# Altium PCB Lay-51943_B.brd.PcbDoc (part 8 of 8)
Units mil, origin at the board's own origin, x right, y up, seen from the top; angles counter-clockwise.
Board outline 2903.05 x 2405.84 mil, 6 copper layers (TOP, L2_GND_1, L3_INT_1, L4_PWR, L5_GND_2, BOTTOM), stack 60.244 mil thick; 568 components, 400 nets, 2143 pads, 1138 vias.
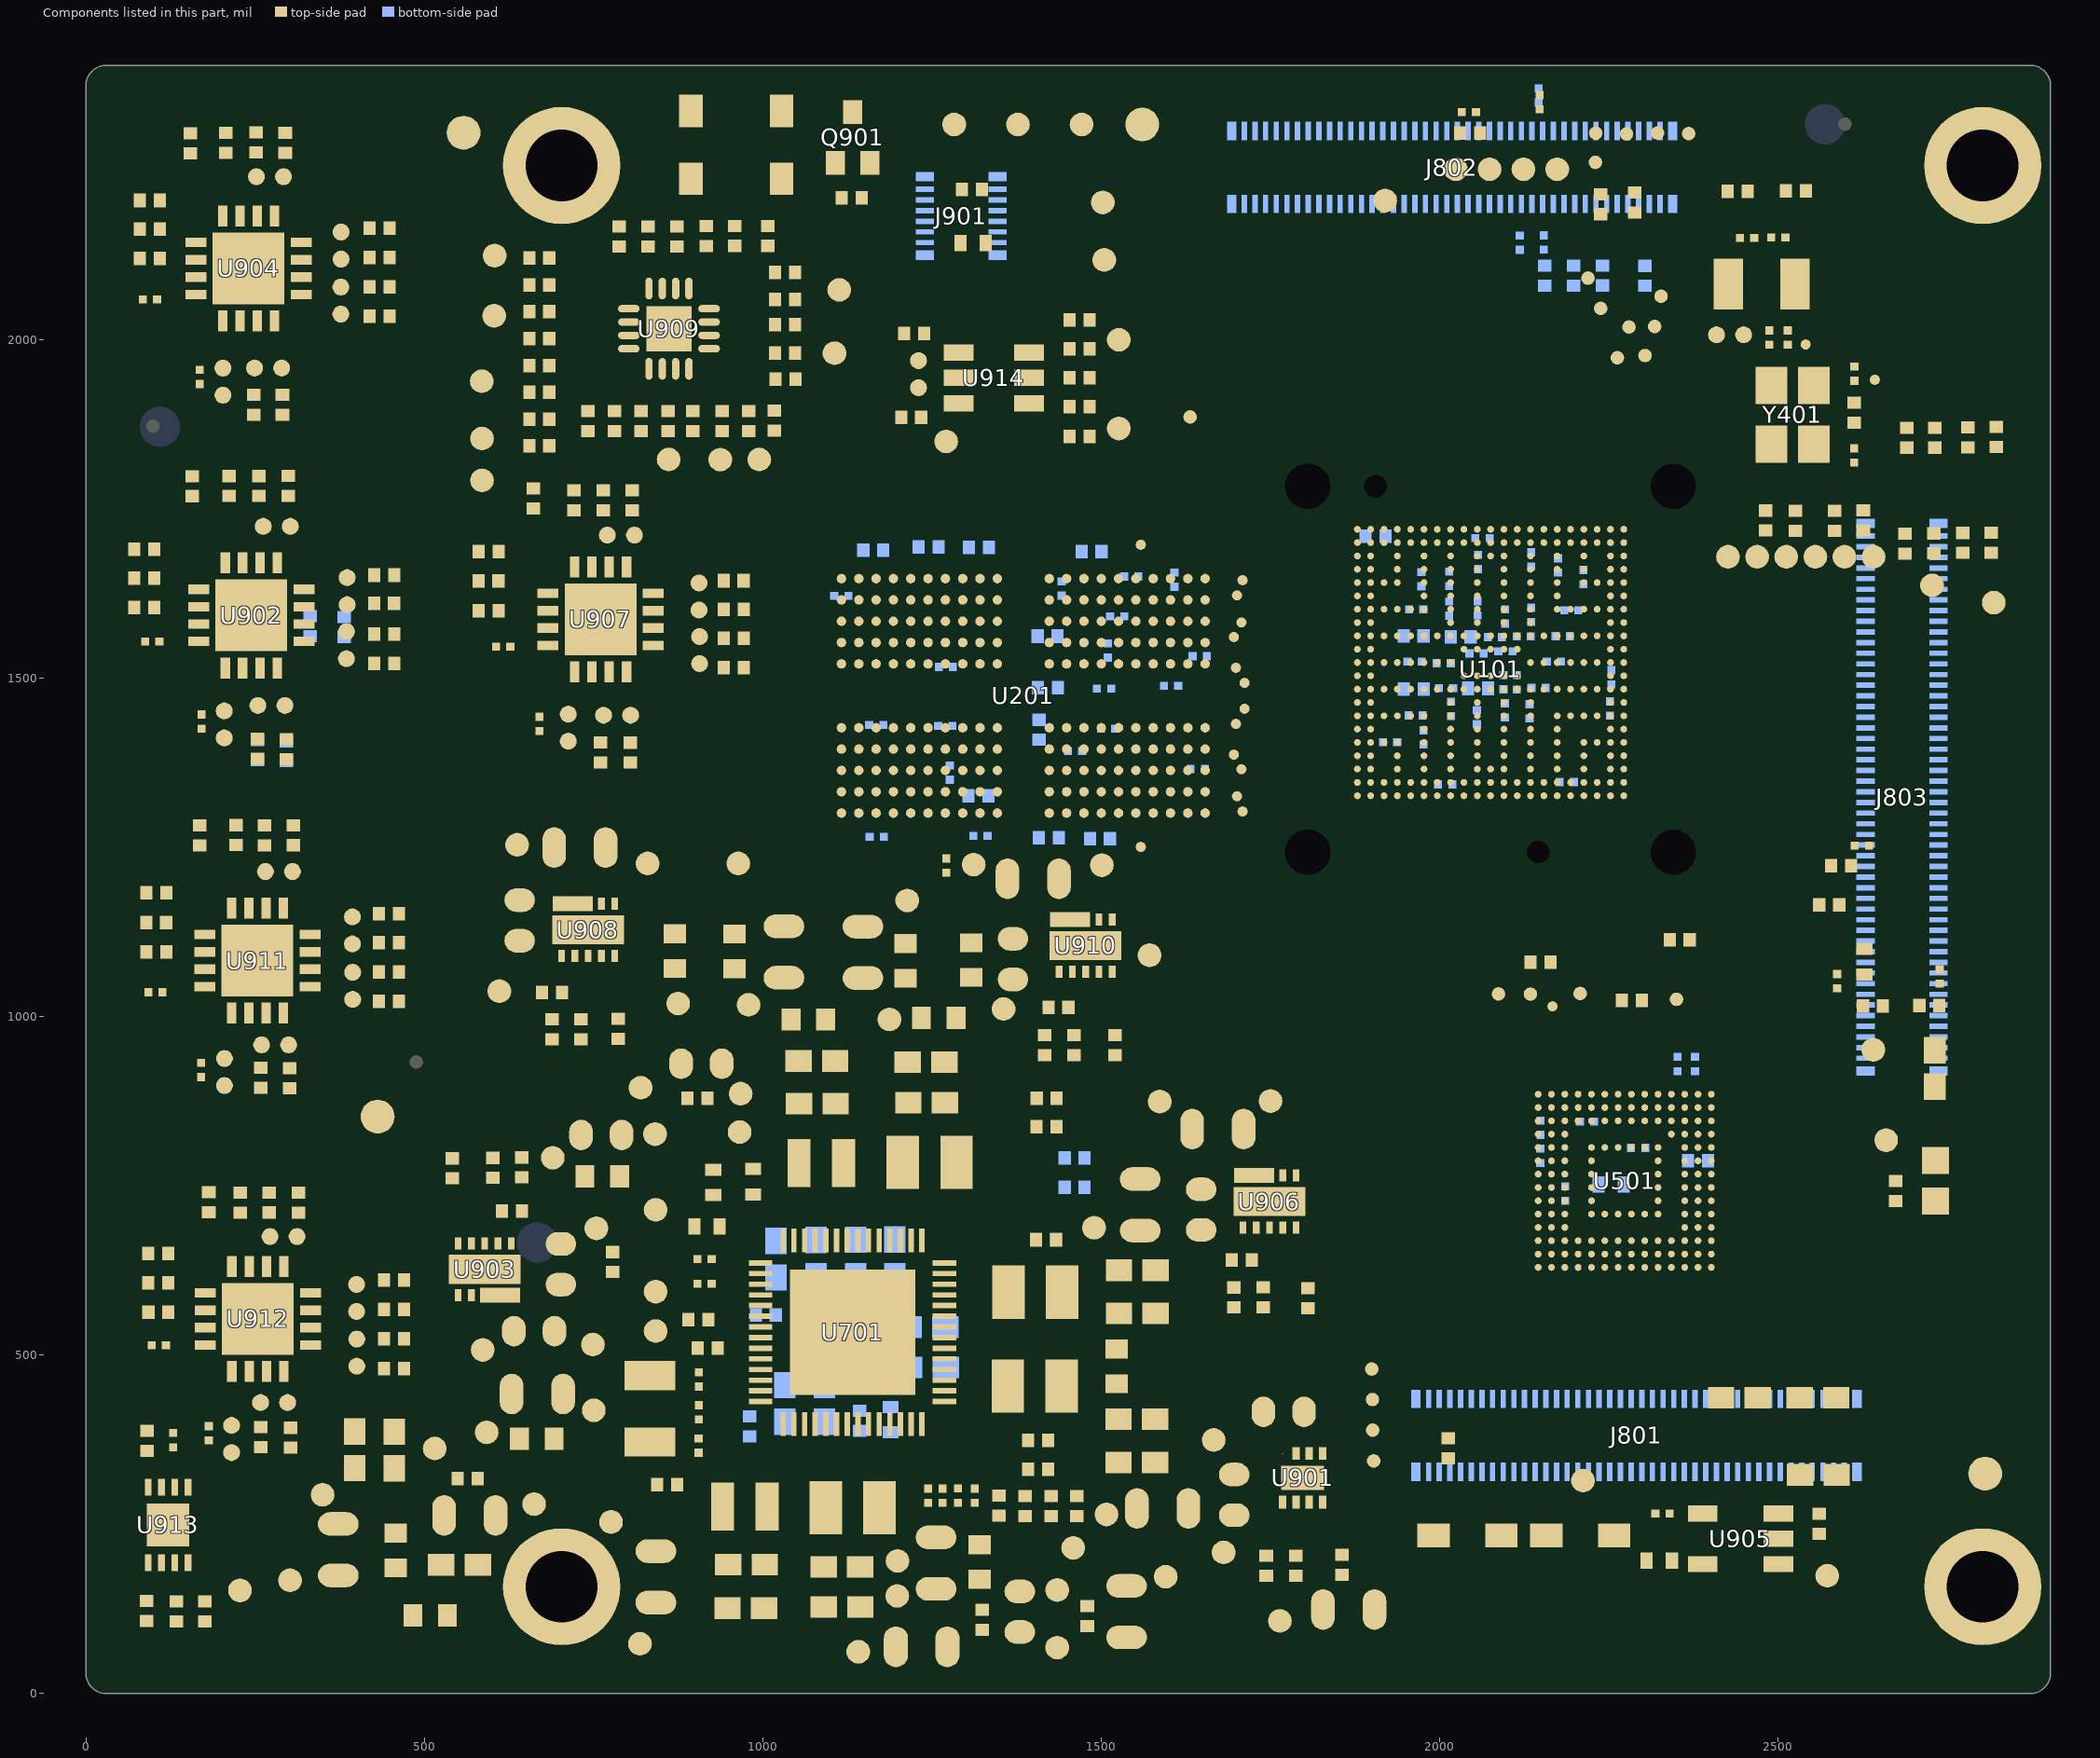
[diagram p12: the components of this part, seen from the top]

## Silkscreen, mask and mechanical layers (free items; w line width, h text height) (continued)
Document:
  drawing of 2535 lines, arcs and shapes, not listed
  text "FX.X" at 16861.1,10640.25 h100
  text "A" at 11026.1,10635.25 h125
  text "01-21-22" at 15581.1,10635.25 h100
  text "CHANGED U901,U903,U906,U908,U910" at 11378.87,10392.81 h100
  text "B" at 11036.66,10391.83 h100
  text "FX.X" at 16861.1,10382.85 h100
  text "19-08-22" at 15581.1,10377.85 h100
  text "170-51943" at 10331.1,-6889.75 h175
  text "THIS DOCUMENT CONTAINS INFORMATION" at 9741.1,-7129.75 h63
  text "___ PUBI (PUBLIC INFORMATION)" at 6896.1,-7164.75 h63
  text "NXP SEMICONDUCTOR" at 12301.1,-7239.75 h225
  text "PROPRIETARY TO NXP AND SHALL" at 9741.1,-7254.75 h63
  text "NOT BE USED FOR ENGINEERING DESIGN" at 9741.1,-7379.75 h63
  text "___ FIUO (NXP INTERNAL USE ONLY)" at 6896.1,-7464.75 h63
  text "X" at 6936.1,-7464.75 h100
  text "PROCUREMENT OR MANUFACTURE IN WHOLE" at 9741.1,-7504.75 h63
  text "OR IN PART WITHOUT THE CONSENT OF" at 9741.1,-7629.75 h63
  text "NXP." at 9741.1,-7754.75 h63
  text "___ FCP (NXP CONFIDENTIAL PROPRIETARY)" at 6896.1,-7764.75 h63
  text "6501 WILLIAM CANNON DRIVE WEST  AUSTIN, TEXAS 78735 USA" at 12331.1,-7809.75 h94
  text "ALL PARTS, MATERIALS AND FINISHED" at 4449.95,-8080.39 h63
  text "ASSEMBLY SHALL MEET THE RoHS" at 4449.95,-8164.39 h63
  text "PRINTED WIRING BOARD" at 13261.1,-8219.75 h175
  text "COMMISSION DELEGATED DIRECTIVE (EU)" at 4449.95,-8248.39 h63
  text "2015/863 OF 31 MARCH  2015 AMENDING" at 4449.95,-8332.39 h63
  text "Feixiang" at 10126.1,-8394.75 h100
  text "19-08-22" at 11391.1,-8394.75 h100
  text "ANNEX II TO DIRECTIVE 2011/65/EU. A" at 4449.95,-8416.39 h63
  text "CERTIFICATE OF COMPLIANCE IS" at 4449.95,-8500.39 h63
  text "X-" at 13740.52,-8556.31 h175
  text "MCIMX93-SOM" at 14140.3,-8560.76 h175
  text "REQUIRED UPON REQUEST." at 4449.95,-8584.39 h63
  text "Javen jiang" at 10121.1,-8814.75 h100
  text "19-08-22" at 11386.1,-8814.75 h100
  text "ALL PARTS, MATERIALS AND FINISHED" at 4425.95,-9039.39 h63
  text "ASSEMBLY SHALL NOT CONTAIN ANY OF" at 4425.95,-9123.39 h63
  text "THE SUBSTANCES OF VERY HIGH CONCERN" at 4425.95,-9207.39 h63
  text "Javen jiang" at 10116.1,-9209.75 h100
  text "19-08-22" at 11381.1,-9209.75 h100
  text "LAY-51943" at 12671.1,-9229.75 h125
  text "FAB-51943" at 14776.1,-9229.75 h175
  text "B" at 17156.1,-9229.75 h175
  text "(SVHC) ABOVE THE THRESHOLD VALUE PER" at 4425.95,-9291.39 h63
  text "THE CURRENT ECHA LIST OF SVHC'S AND" at 4425.95,-9375.39 h63
  text "WITH ANNEX XIV AND ANNEX XVII OF REACH" at 4425.95,-9454.39 h63
  text "DIRECTIVE 76/769/EEC. A CERTIFICATE OF" at 4425.95,-9538.39 h63
  text "COMPLIANCE IS REQUIRED UPON REQUEST." at 4425.95,-9622.39 h63
  text "1" at 16996,-9634.85 h125
  text "NONE" at 12708,-9641.85 h125
  text "1" at 16275,-9641.85 h125
Reference:
  lines w1: -15719.9,-10222.75 -15719.9,11779.25 18282.1,11779.25 18282.1,-10222.75 -15719.9,-10222.75
Top Component Outline:
  lines w1: -24.77,0.28 25.23,0.28 ; 0.23,-24.72 0.23,25.28
Bottom Component Outline:
  region: -2.18,950.49 ccw(c105.17,949.78) 102.7,842.46 268.82,842.46 268.82,767.46 432.38,767.46 490.82,861.51 549.26,767.46 695.42,767.46 841.82,938.41 841.82,767.46 985.82,767.46 985.82,1145.46 851.22,1145.46 705.82,975.53 705.82,1145.46 549.26,1145.46 490.82,1051.41 432.38,1145.46 123.31,1145.46 ccw(c112.29,1031.51) -2.18,1032.5
Patch_Top:
  lines w10: -5156.9,-3407.15 -1156.9,-3407.15 ; -5156.9,-3107.15 -5156.9,-2907.15 -1156.9,-2907.15 ; -4656.9,-3607.15 -4656.9,-3407.15 ; -3406.9,-2907.15 -3406.9,-2607.15 ; -3401.9,-3607.15 -3401.9,-3407.15 ; -2906.9,-3607.15 -2906.9,-3407.15
  lines w20: -5156.9,-3607.15 -1156.9,-3607.15 -1156.9,-2607.15 -5156.9,-2607.15 -5156.9,-3607.15
  text "NAME" at -3376.9,-2687.15 h40
  text "NXP SEMICONDUCTORS" at -5101.9,-2717.15 h75
  text "MCIMX93-SOM" at -2660.79,-2802.61 h63
  text "6501 WILLIAM CANNON DRIVE WEST" at -5126.9,-2807.15 h40
  text "AUSTIN. TEXAS 78735 USA" at -5126.9,-2877.15 h40
  text "THIS DOCUMENT CONTAINS INFORMATION" at -5066.9,-2977.15 h40
  text "X" at -3228.9,-3002.15 h63
  text "___ COMPANY PUBLIC" at -3276.9,-3007.15 h40
  text "PROPRIETARY TO NXP AND SHALL NOT" at -5056.9,-3057.15 h40
  text "BE USED FOR ENGINEERING DESIGN" at -5056.9,-3137.15 h40
  text "___ COMPANY INTERNAL" at -3276.9,-3167.15 h40
  text "PROCUREMENT OR MANUFACTURE IN WHOLE" at -5056.9,-3217.15 h40
  text "OR IN PART WITHOUT THE CONSENT OF" at -5056.9,-3297.15 h40
  text "___ COMPANY CONFIDENTIAL" at -3276.9,-3332.15 h40
  text "NXP." at -5046.9,-3377.15 h40
  text "SHEET" at -5126.9,-3487.15 h40
  text "FILM" at -4626.9,-3487.15 h40
  text "DATE" at -3376.9,-3487.15 h40
  text "NUMBER" at -2876.9,-3487.15 h40
  text "170-51943     REV B" at -2546.9,-3557.15 h63
  text "19-08-22" at -3356.9,-3567.15 h40

## Text inside footprints (layer, text, board x,y; h text height)
D601: Top Overlay "A" at 2766.09,691.57 h25; Top Overlay "C" at 2771.58,811.56 h25
J801: Bottom Overlay "1" at 2601.23,461.46 h15; Bottom Overlay "2" at 2601.23,286.46 h15; Bottom Overlay "79" at 1992.26,460.67 h15; Bottom Overlay "80" at 1991.23,276.46 h15
J802: Bottom Overlay "1" at 1708,2163 h15; Bottom Overlay "2" at 1711.75,2334.4 h15; Bottom Overlay "79" at 2353,2162 h15; Bottom Overlay "80" at 2356,2336 h15
J803: Bottom Overlay "1" at 2603.7,1704.58 h15; Bottom Overlay "2" at 2778.7,1704.58 h15; Bottom Overlay "99" at 2597.1,925.26 h15; Bottom Overlay "100" at 2798.7,929.58 h15
J901: Bottom Overlay "12" at 1393.52,2133.37 h15; Bottom Overlay "11" at 1213.52,2133.37 h15; Bottom Overlay "2" at 1383.52,2218.37 h15; Bottom Overlay "1" at 1210,2221 h15
L701: Top Overlay "1" at 1169.8,735.87 h25
L702: Top Overlay "1" at 1326,585 h25
L703: Top Overlay "1" at 1325,446 h25
L704: Top Overlay "1" at 1055,281 h25
L705: Top Overlay "1" at 1029,248 h25
L706: Top Overlay "1" at 1145,737 h25
Q901: Top Overlay "1" at 1076,2242 h25; Top Overlay "2" at 1184,2241 h25; Top Overlay "3" at 1123.25,2368.01 h25
QZ401: Top Overlay "1" at 2373.96,2101.41 h25
QZ701: Top Overlay "1" at 804,302 h25
U101: Top Overlay "A21" at 2443.29,1782.44 h25 r90; Top Overlay "AA1" at 1735.22,1184.88 h25 r90; Top Overlay "A1" at 1690.8,1809.8 h30; Top Overlay "AA21" at 2436,1186 h25 r90
U201: Top Overlay "12" at 1648.87,1224.89 h25; Top Overlay "1" at 1681,1663.79 h25; Top Overlay "A" at 1633.97,1698.6 h25; Top Overlay "AB" at 1092.3,1693.26 h25; Top Assembly "1" at 1692.32,1647.51 h10 r270; Top Assembly "12" at 1692.32,1301.05 h25 r270; Top Assembly "A" at 1645.07,1710.5 h10 r270; Top Assembly "AB" at 1101.77,1734.12 h25 r270
U501: Top Overlay "1" at 2555.26,879.07 h25; Top Overlay "14" at 2548.05,612.06 h25; Top Overlay "P" at 2035.94,1001.88 h25; Top Overlay "A" at 2473.97,1003.1 h25
U701: Top Overlay "1" at 964,627 h25; Top Overlay "29" at 1289.34,392.88 h25; Top Overlay "43" at 1238.82,687.48 h25; Top Overlay "56" at 1023.92,693.88 h25; Top Overlay "15" at 959,360 h25
U902: Top Overlay "1" at 135,1639 h25; Top Overlay "4" at 126,1538 h25; Top Overlay "5" at 131,1475 h25; Top Overlay "8" at 328,1469 h25; Top Overlay "9" at 348.57,1539.35 h25; Top Overlay "12" at 336.44,1668.78 h25; Top Overlay "13" at 335.02,1709.33 h25; Top Overlay "16" at 136,1691 h25; Top Assembly "16" at 198.04,1665.92 h10; Top Assembly "13" at 274.82,1665.92 h10; Top Assembly "12" at 314.19,1626.55 h10; Top Assembly "9" at 318.19,1549.77 h10; Top Assembly "8" at 278.82,1510.4 h10; Top Assembly "5" at 202.04,1510.4 h10; Top Assembly "4" at 162.67,1549.77 h10; Top Assembly "1" at 162.67,1626.55 h10
U903: Top Overlay "6" at 494.37,578.45 h25; Top Overlay "5" at 533.03,682.05 h25; Top Overlay "10" at 649,563 h25; Top Overlay "1" at 660.26,665.79 h25
U904: Top Overlay "1" at 130,2147 h25; Top Overlay "4" at 122,2052 h25; Top Overlay "5" at 165,1980 h25; Top Overlay "8" at 306,1980 h25; Top Overlay "9" at 339,2020 h25; Top Overlay "12" at 332.48,2181.39 h25; Top Overlay "13" at 316,2217 h25; Top Overlay "16" at 129,2205 h25; Top Assembly "16" at 194.08,2178.53 h10; Top Assembly "13" at 270.86,2178.53 h10; Top Assembly "12" at 310.23,2139.16 h10; Top Assembly "9" at 314.23,2062.38 h10; Top Assembly "8" at 274.86,2023.01 h10; Top Assembly "5" at 198.08,2023.01 h10; Top Assembly "4" at 158.71,2062.38 h10; Top Assembly "1" at 158.71,2139.16 h10
U905: Top Overlay "1" at 2533,174 h25
U906: Top Overlay "1" at 1671,654 h25; Top Overlay "10" at 1635,772 h25; Top Overlay "5" at 1826,674 h25; Top Overlay "6" at 1825,766 h25
U907: Top Overlay "1" at 648,1619 h25; Top Overlay "4" at 641,1535 h25; Top Overlay "5" at 682,1461 h25; Top Overlay "8" at 832,1462 h25; Top Overlay "9" at 859,1509 h25; Top Overlay "12" at 856.9,1652.2 h25; Top Overlay "13" at 829,1688 h25; Top Overlay "16" at 642,1683 h25; Top Assembly "16" at 714.18,1659.99 h10; Top Assembly "13" at 790.96,1659.99 h10; Top Assembly "12" at 830.33,1620.62 h10; Top Assembly "9" at 834.33,1543.84 h10; Top Assembly "8" at 794.96,1504.47 h10; Top Assembly "5" at 718.18,1504.47 h10; Top Assembly "4" at 678.81,1543.84 h10; Top Assembly "1" at 678.81,1620.62 h10
U908: Top Overlay "6" at 777,1187 h25; Top Overlay "5" at 814,1047 h25; Top Overlay "10" at 674,1189 h25; Top Overlay "1" at 659,1068 h25
U909: Top Overlay "1" at 771,2040 h25
U910: Top Overlay "1" at 1394,1053 h25; Top Overlay "10" at 1358,1140 h25; Top Overlay "5" at 1559,1037 h25; Top Overlay "6" at 1558,1137 h25
U911: Top Overlay "16" at 135,1176 h25; Top Overlay "13" at 322,1188 h25; Top Overlay "12" at 348.66,1165.84 h25; Top Overlay "9" at 357.69,1029.25 h25; Top Overlay "8" at 324,957 h25; Top Overlay "5" at 146,989 h25; Top Overlay "4" at 136,1024 h25; Top Overlay "1" at 147,1137 h25; Top Assembly "1" at 171.79,1116.45 h10; Top Assembly "4" at 171.79,1039.67 h10; Top Assembly "5" at 211.16,1000.3 h10; Top Assembly "8" at 287.94,1000.3 h10; Top Assembly "9" at 327.31,1039.67 h10; Top Assembly "12" at 323.31,1116.45 h10; Top Assembly "13" at 283.94,1155.82 h10; Top Assembly "16" at 207.16,1155.82 h10
U912: Top Overlay "16" at 182,655 h25; Top Overlay "13" at 330,658 h25; Top Overlay "12" at 353,623 h25; Top Overlay "9" at 353,446 h20; Top Overlay "8" at 322,425 h25; Top Overlay "5" at 145,443 h20; Top Overlay "4" at 139,483 h20; Top Overlay "1" at 146,609 h25; Top Assembly "1" at 172.45,586.93 h10; Top Assembly "4" at 172.45,510.15 h10; Top Assembly "5" at 211.82,470.78 h10; Top Assembly "8" at 288.6,470.78 h10; Top Assembly "9" at 327.97,510.15 h10; Top Assembly "12" at 323.97,586.93 h10; Top Assembly "13" at 284.6,626.3 h10; Top Assembly "16" at 207.82,626.3 h10
U913: Top Overlay "8" at 48,328 h25; Top Overlay "5" at 141.54,335.61 h25; Top Overlay "4" at 184,170 h25; Top Overlay "1" at 54,167 h25
U914: Top Overlay "1" at 1262.08,2010.69 h25
Y401: Top Overlay "1" at 2435.51,1924.13 h25